# KiCad board Space.kicad_pcb
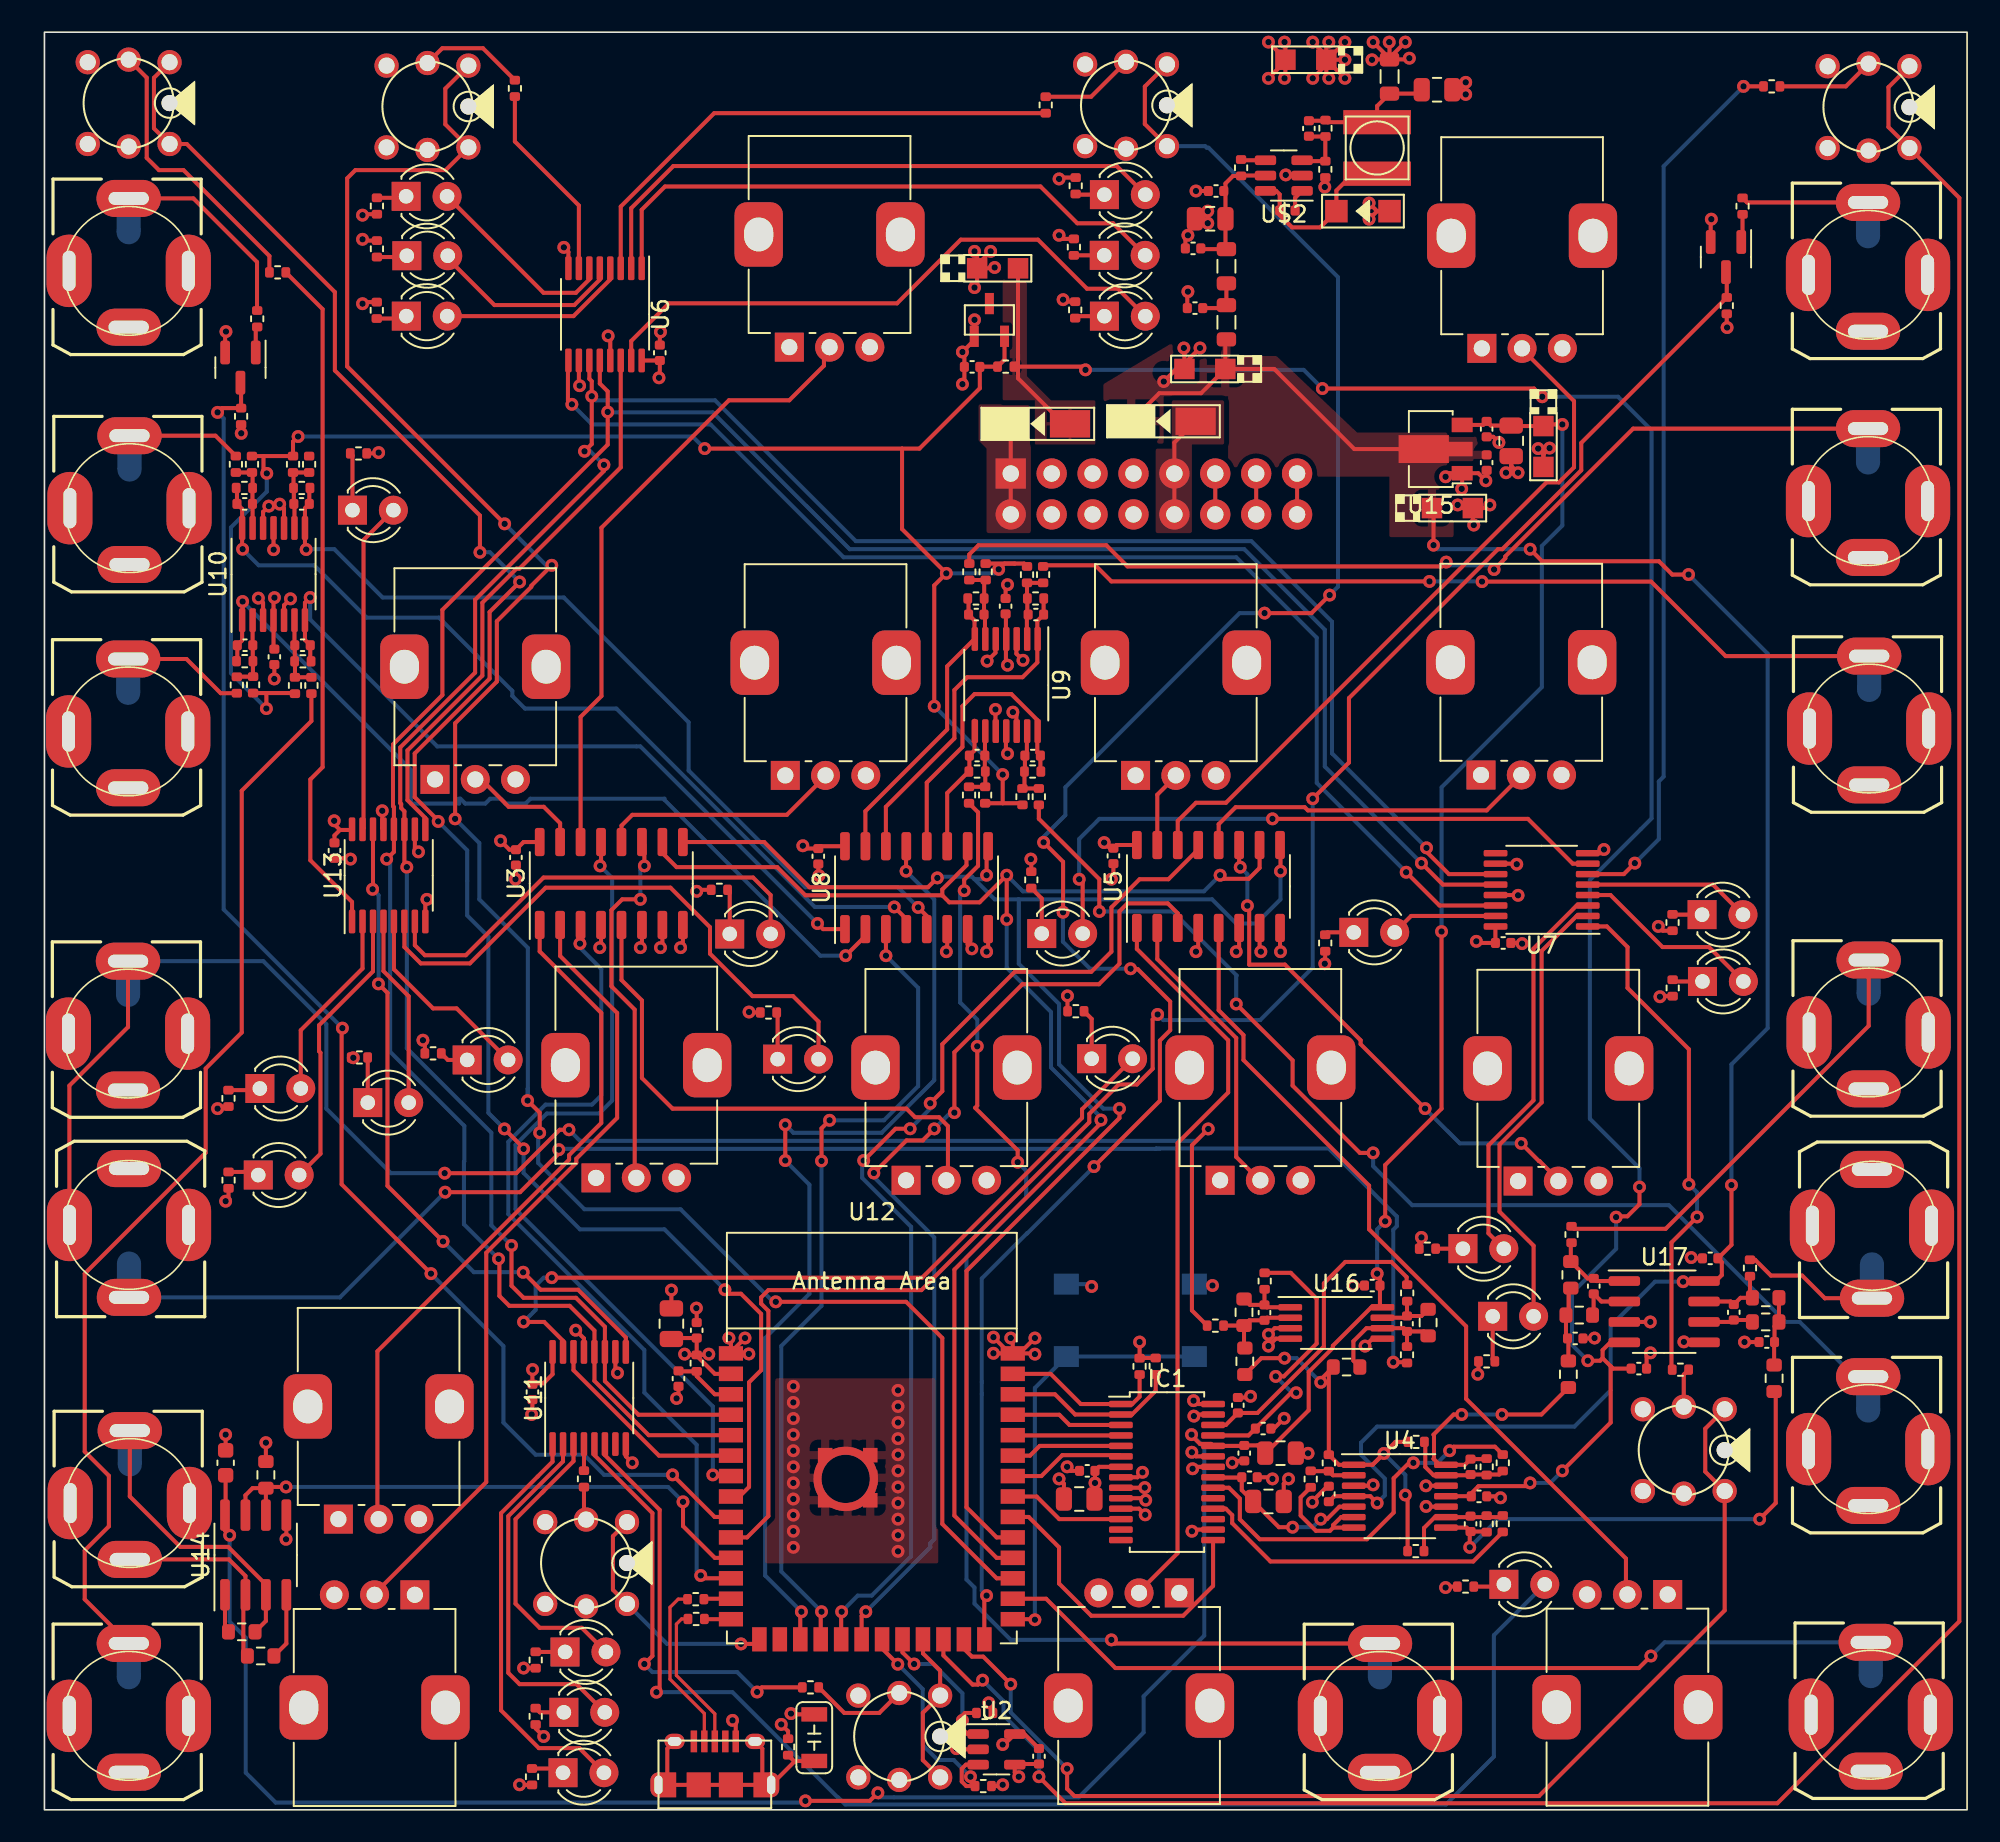
[diagram p0: board, top side]
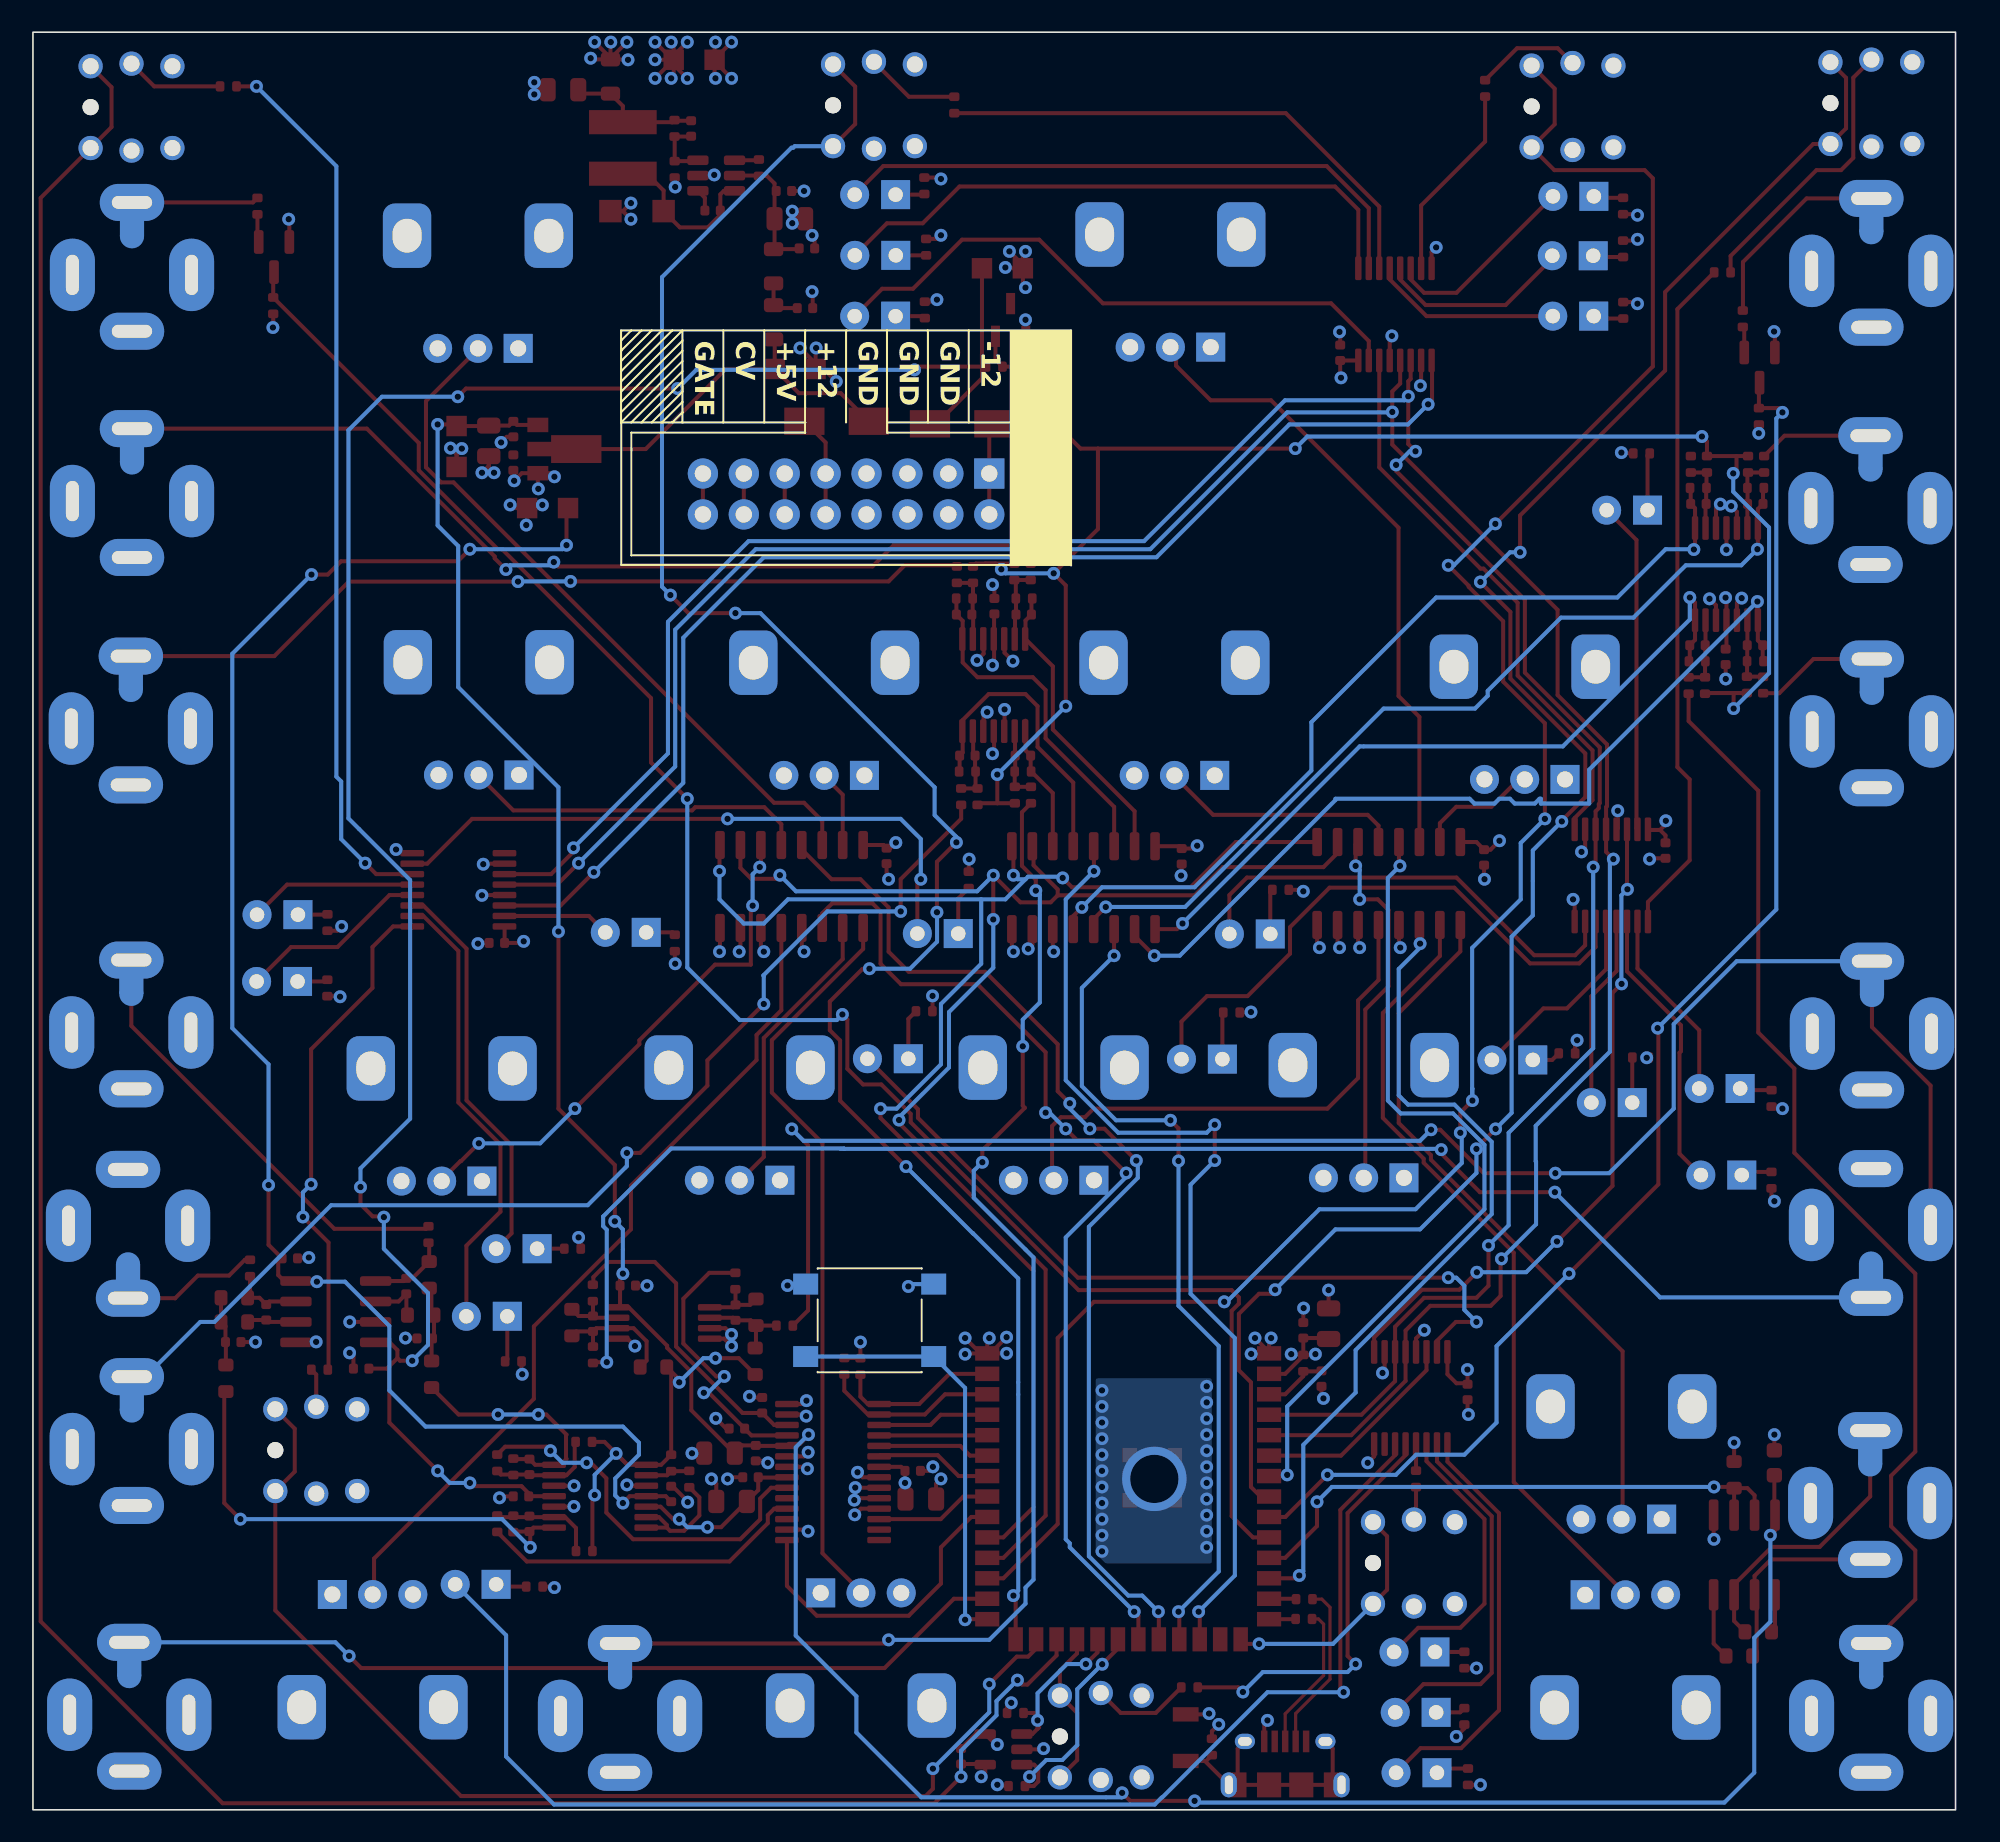
[diagram p1: board, bottom side, seen from below]

Outline 119.38 x 110.42 mm; copper layers: Top, In1.Cu, In2.Cu, Bottom. Coordinates in mm from the lower left corner of the outline.
Outline path: rectangle 0,110.42 119.38,0
Stack: Top 0.035mm / dielectric 0.1mm FR4 er 4.5 / In1.Cu 0.035mm / dielectric 1.24mm FR4 er 4.5 / In2.Cu 0.035mm / dielectric 0.1mm FR4 er 4.5 / Bottom 0.035mm

## Placement (name value [footprint] x y rotation side)
C1  100nF  [C_0402_1005Metric]  89.55 85.77 270 top
C2  100nF  [C_0402_1005Metric]  89.55 83.69 270 top
C3  10uF  [CASE-A_3216]  87.43 80.86 0 top
C7  22u  [C_0805_2012Metric]  91.07 85.03 90 top
C8  10uF  [CASE-A_3216]  93.07 84.69 270 top
C9  10u  [C_0805_2012Metric]  64.25 19.31 180 top
C10  100n  [C_0402_1005Metric]  64.75 21.06 180 top
C11  2.2n  [C_0402_1005Metric]  74.1 25.13 270 top
C12  10u  [C_0805_2012Metric]  76 19.16 0 top
C13  100n  [C_0402_1005Metric]  74.82 20.66 0 top
C14  2.2n  [C_0402_1005Metric]  75.67 23.68 180 top
C15  10u  [C_0805_2012Metric]  76.75 22.16 0 top
C16  100n  [C_0402_1005Metric]  74.5 22.16 270 top
C24  470p  [C_0402_1005Metric]  95.05 29.28 180 top
C25  470p  [C_0402_1005Metric]  106.94 29.06 0 top
C26  100n  [C_0402_1005Metric]  89.07 19.47 0 top
C27  100n  [C_0402_1005Metric]  79.75 19.62 90 top
C28  100n  [C_0402_1005Metric]  103.43 34.26 180 top
C29  100n  [C_0402_1005Metric]  99 27.41 0 top
C31  100n  [C_0402_1005Metric]  29.28 59.16 270 top
C32  100n  [C_0402_1005Metric]  66.38 59.26 270 top
C33  100n  [C_0402_1005Metric]  90.57 53.85 0 top
C34  100n  [C_0402_1005Metric]  38.21 90.51 90 top
C35  100n  [C_0402_1005Metric]  48.05 59.23 270 top
C36  100n  [C_0402_1005Metric]  59.68 74.77 90 top
C37  3.3n  [C_0402_1005Metric]  12.45 72.34 180 top
C38  3.3n  [C_0402_1005Metric]  61.56 74.25 0 top
C39  3.3n  [C_0402_1005Metric]  16.03 72.34 0 top
C40  3.3n  [C_0402_1005Metric]  57.86 74.25 180 top
C41  3.3n  [C_0402_1005Metric]  15.97 81.12 0 top
C42  3.3n  [C_0402_1005Metric]  57.91 65.49 180 top
C43  3.3n  [C_0402_1005Metric]  12.44 81.12 180 top
C44  3.3n  [C_0402_1005Metric]  61.36 65.49 0 top
C45  100n  [C_0402_1005Metric]  14.28 71.62 90 top
C46  100n  [C_0402_1005Metric]  30.3 25.96 270 top
C47  100n  [C_0402_1005Metric]  82.44 32.57 180 top
C48  100nF  [C_0402_1005Metric]  77.18 99.34 0 top
C49  10uF  [C_0805_2012Metric]  72.38 98.83 0 top
C50  10uF  [CASE-A_3216]  72.05 89.5 180 top
C51  10n  [C_0402_1005Metric]  71.44 93.28 0 top
C52  100nF  [C_0402_1005Metric]  71.32 96.99 0 top
C53  100nF  [C_0402_1005Metric]  72.75 100.56 0 top
C54  22u  [C_0805_2012Metric]  86.47 106.85 180 top
C55  10uF  [CASE-A_3216]  78.32 108.71 180 top
C56  33p  [C_0402_1005Metric]  78.51 104.44 270 top
C57  100nF  [C_0402_1005Metric]  57.6 89.63 0 top
C58  10uF  [CASE-A_3216]  59.18 95.76 0 top
C59  4.7n 100v  [C3216]  47.8 4.48 270 top
C60  1u  [C_0402_1005Metric]  39.37 26.79 270 top
C61  22u  [C_0805_2012Metric]  38.93 30.2 90 top
C62  100n  [C_0402_1005Metric]  40.5 29.79 90 top
C63  100n  [C_0402_1005Metric]  18.01 59.59 270 top
C64  100n  [C_0402_1005Metric]  61.75 3.33 90 top
C65  100p  [C_0402_1005Metric]  75.75 30.89 270 top
C66  100p  [C_0402_1005Metric]  84.6 30.2 270 top
C67  47p  [C_0402_1005Metric]  88.55 17.77 90 top
C68  47p  [C_0402_1005Metric]  96.2 32.53 270 top
C69  47p  [C_0402_1005Metric]  104.9 30.91 270 top
C70  47p  [C_0402_1005Metric]  88.55 21.31 270 top
C71  100n  [C_0603_1608Metric]  11.25 21.56 90 top
D1  LED  [LED_D3.0mm_FlatTop]  90.62 14 0 top
D3  D-SOD-123  [SOD123]  81.87 99.31 180 top
D4  LED  [LED_D3.0mm_FlatTop]  102.93 55.61 0 top
D7  LED  [LED_D3.0mm_FlatTop]  89.93 30.66 0 top
D8  LED  [LED_D3.0mm_FlatTop]  102.95 51.46 0 top
D9  LED  [LED_D3.0mm_FlatTop]  20.08 43.93 0 top
D11  LED  [LED_D3.0mm_FlatTop]  26.25 46.58 0 top
D13  LED  [LED_D3.0mm_FlatTop]  19.12 80.73 0 top
D15  LED  [LED_D3.0mm_FlatTop]  45.53 46.63 0 top
D16  LED  [LED_D3.0mm_FlatTop]  13.28 39.43 0 top
D17  LED  [LED_D3.0mm_FlatTop]  88.07 34.86 0 top
D18  LED  [LED_D3.0mm_FlatTop]  13.38 44.81 0 top
D19  LED  [LED_D3.0mm_FlatTop]  65.03 46.66 0 top
D20  LED  [LED_D3.0mm_FlatTop]  42.55 54.41 0 top
D21  C8678  [DO-214AC]  69.48 86.25 180 top
D22  C8678  [DO-214AC]  61.68 86.09 180 top
D23  LED  [LED_D3.0mm_FlatTop]  32.33 9.81 0 top
D24  LED  [LED_D3.0mm_FlatTop]  32.25 6.06 0 top
D25  LED  [LED_D3.0mm_FlatTop]  32.2 2.31 0 top
D26  LED  [LED_D3.0mm_FlatTop]  22.46 100.22 0 top
D27  LED  [LED_D3.0mm_FlatTop]  22.5 96.53 0 top
D28  LED  [LED_D3.0mm_FlatTop]  22.47 92.78 0 top
D29  LED  [LED_D3.0mm_FlatTop]  65.81 100.33 0 top
D30  LED  [LED_D3.0mm_FlatTop]  65.81 96.56 0 top
D31  LED  [LED_D3.0mm_FlatTop]  65.81 92.78 0 top
D32  LED  [LED_D3.0mm_FlatTop]  61.92 54.43 0 top
D33  LED  [LED_D3.0mm_FlatTop]  81.3 54.51 0 top
IC1  PCM3060  [TSSOP-28_4.4x9.7mm_P0.65mm]  69.7 20.98 0 top
J1  POWERSHROUDED  [POWER_16_SHROUDED]  68.89 81.74 0 bottom
J14  MICRO-USB-5P  [C132563]  41.62 0.1 0 top
JACK1  AUDIO-JACK_SMALLSYMBOLNODRILL  [3.5MM-JACK-SWITCH-13MM-NOHOLES-TESTPAD]  5.28 80.86 0 top
JACK2  AUDIO-JACK_SMALLSYMBOLNODRILL  [3.5MM-JACK-SWITCH-13MM-NOHOLES-TESTPAD]  5.2 66.99 0 top
JACK3  AUDIO-JACK_SMALLSYMBOLNODRILL  [3.5MM-JACK-SWITCH-13MM-NOHOLES-TESTPAD]  5.24 5.84 0 top
JACK4  AUDIO-JACK_SMALLSYMBOLNODRILL  [3.5MM-JACK-SWITCH-13MM-NOHOLES-TESTPAD]  82.93 5.83 0 top
JACK5  AUDIO-JACK_SMALLSYMBOLNODRILL  [3.5MM-JACK-SWITCH-13MM-NOHOLES-TESTPAD]  113.3 67.17 0 top
JACK6  AUDIO-JACK_SMALLSYMBOLNODRILL  [3.5MM-JACK-SWITCH-13MM-NOHOLES-TESTPAD]  113.23 81.3 0 top
JACK7  AUDIO-JACK_SMALLSYMBOLNODRILL  [3.5MM-JACK-SWITCH-13MM-NOHOLES-TESTPAD]  113.24 22.41 0 top
JACK8  AUDIO-JACK_SMALLSYMBOLNODRILL  [3.5MM-JACK-SWITCH-13MM-NOHOLES-TESTPAD]  113.4 5.91 0 top
JACK9  AUDIO-JACK_SMALLSYMBOLNODRILL  [3.5MM-JACK-SWITCH-13MM-NOHOLES-TESTPAD]  113.23 95.34 0 top
JACK10  AUDIO-JACK_SMALLSYMBOLNODRILL  [3.5MM-JACK-SWITCH-13MM-NOHOLES-TESTPAD]  5.23 95.59 0 top
JACK11  AUDIO-JACK_SMALLSYMBOLNODRILL  [3.5MM-JACK-SWITCH-13MM-NOHOLES-TESTPAD]  113.27 48.29 0 top
JACK12  AUDIO-JACK_SMALLSYMBOLNODRILL  [3.5MM-JACK-SWITCH-13MM-NOHOLES-TESTPAD]  113.47 36.28 180 top
JACK13  AUDIO-JACK_SMALLSYMBOLNODRILL  [3.5MM-JACK-SWITCH-13MM-NOHOLES-TESTPAD]  5.19 48.22 0 top
JACK14  AUDIO-JACK_SMALLSYMBOLNODRILL  [3.5MM-JACK-SWITCH-13MM-NOHOLES-TESTPAD]  5.25 36.33 180 top
JACK15  AUDIO-JACK_SMALLSYMBOLNODRILL  [3.5MM-JACK-SWITCH-13MM-NOHOLES-TESTPAD]  5.3 19.06 0 top
L5  0.1uH C76737  [L_0805_2012Metric]  73.39 92.4 90 top
L6  0.1uH C76737  [L_0805_2012Metric]  73.39 95.88 90 top
L7  4.7uH  [L0420]  82.75 103.23 90 top
L8  0.1uH C76737  [L_0805_2012Metric]  83.52 107.67 90 top
Q3  MMBT3904  [SOT-23]  104.41 96.45 270 top
Q4  MMBT3904  [SOT-23]  12.17 89.59 270 top
R1  56  [R_0402_1005Metric]  88.24 13.87 180 top
R2  56  [R_0402_1005Metric]  101.09 55.12 270 top
R4  56  [R_0402_1005Metric]  89.55 27.86 180 top
R25  56  [R_0402_1005Metric]  101.1 51.05 270 top
R26  56  [R_0402_1005Metric]  19.56 46.73 180 top
R28  56  [R_0402_1005Metric]  24.13 46.99 180 top
R30  56  [R_0402_1005Metric]  19.5 84.26 0 top
R32  56  [R_0402_1005Metric]  44.96 49.53 180 top
R33  56  [R_0402_1005Metric]  11.43 39.11 270 top
R34  56  [R_0402_1005Metric]  85.88 34.86 180 top
R35  56  [R_0402_1005Metric]  11.42 44.19 270 top
R36  56  [R_0402_1005Metric]  64.04 49.61 180 top
R37  56  [R_0402_1005Metric]  41.91 57.15 180 top
R38  100k  [R_0402_1005Metric]  12.95 69.88 90 top
R39  100k  [R_0402_1005Metric]  11.94 69.87 90 top
R40  100k  [R_0402_1005Metric]  61.01 76.73 270 top
R41  100k  [R_0402_1005Metric]  62.01 76.73 270 top
R42  33k  [R_0402_1005Metric]  12.44 71.35 180 top
R43  33k  [R_0402_1005Metric]  61.54 75.25 0 top
R44  100k  [R_0402_1005Metric]  15.56 69.84 90 top
R45  100k  [R_0402_1005Metric]  16.58 69.84 90 top
R46  100k  [R_0402_1005Metric]  58.44 76.9 270 top
R47  100k  [R_0402_1005Metric]  57.43 76.9 270 top
R48  33k  [R_0402_1005Metric]  16.05 71.34 0 top
R49  33k  [R_0402_1005Metric]  57.84 75.25 180 top
R50  100k  [R_0402_1005Metric]  15.44 83.58 270 top
R51  100k  [R_0402_1005Metric]  16.44 83.58 270 top
R52  100k  [R_0402_1005Metric]  58.41 63.04 90 top
R53  100k  [R_0402_1005Metric]  57.41 63.04 90 top
R54  33k  [R_0402_1005Metric]  15.97 82.11 0 top
R55  33k  [R_0402_1005Metric]  57.91 64.5 180 top
R56  100k  [R_0402_1005Metric]  12.89 83.58 270 top
R57  100k  [R_0402_1005Metric]  11.89 83.58 270 top
R58  100k  [R_0402_1005Metric]  60.73 62.93 90 top
R59  100k  [R_0402_1005Metric]  61.74 62.93 90 top
R60  33k  [R_0402_1005Metric]  12.42 82.11 180 top
R61  33k  [R_0402_1005Metric]  61.36 64.5 0 top
R62  56  [R_0402_1005Metric]  107.25 107.06 0 top
R63  56  [R_0402_1005Metric]  47.56 7.61 0 top
R64  56  [R_0402_1005Metric]  30.5 9.31 270 top
R65  56  [R_0402_1005Metric]  30.5 5.81 270 top
R66  12.1k  [R_0603_1608Metric]  74.49 30.91 90 top
R67  100k  [R_0402_1005Metric]  72.71 30.08 0 top
R68  12.1k  [R_0603_1608Metric]  74.53 27.86 90 top
R69  100k  [R_0402_1005Metric]  74.3 102 270 top
R70  49.9k  [R_0402_1005Metric]  79.54 104.45 270 top
R71  16.2k  [R_0402_1005Metric]  79.53 101.9 270 top
R72  10k  [R_0402_1005Metric]  59.69 89.65 180 top
R73  0  [R_0402_1005Metric]  40.47 11.86 0 top
R74  0  [R_0402_1005Metric]  40.44 13.09 0 top
R75  1M  [R_0402_1005Metric]  46.17 3.91 270 top
R76  2k  [R_0402_1005Metric]  58.29 1.47 0 top
R77  2k  [R_0402_1005Metric]  58.38 6.02 180 top
R78  10k  [R_0402_1005Metric]  40.5 27.75 270 top
R79  56  [R_0402_1005Metric]  14.48 95.5 180 top
R80  56  [R_0402_1005Metric]  30.28 2.06 270 top
R81  56  [R_0402_1005Metric]  101.58 27.34 0 top
R82  56  [R_0402_1005Metric]  20.64 99.62 270 top
R83  56  [R_0402_1005Metric]  20.64 96.96 90 top
R84  56  [R_0402_1005Metric]  20.63 93.14 90 top
R85  56  [R_0402_1005Metric]  29.21 106.93 90 top
R86  56  [R_0402_1005Metric]  33.5 20.56 270 top
R87  56  [R_0402_1005Metric]  64.03 100.88 90 top
R88  56  [R_0402_1005Metric]  63.92 97.07 90 top
R89  56  [R_0402_1005Metric]  64 93.17 90 top
R90  56  [R_0402_1005Metric]  62.17 105.9 90 top
R91  56  [R_0402_1005Metric]  61.28 57.77 90 top
R92  56  [R_0402_1005Metric]  79.53 53.85 270 top
R93  10k  [R_0402_1005Metric]  12.21 86.56 270 top
R94  100k  [R_0402_1005Metric]  13.21 92.62 270 top
R95  10k  [R_0402_1005Metric]  104.46 93.44 270 top
R96  100k  [R_0402_1005Metric]  105.44 99.62 270 top
R97  100  [R_0402_1005Metric]  75.76 32.85 90 top
R98  100  [R_0402_1005Metric]  84.62 32.11 90 top
R99  100k  [R_0402_1005Metric]  84.6 28.27 90 top
R100  12.1k  [R_0603_1608Metric]  80.85 27.51 0 top
R101  12.1k  [R_0603_1608Metric]  85.91 30.27 90 top
R102  100k  [R_0402_1005Metric]  78.62 20.55 90 top
R103  100k  [R_0402_1005Metric]  79.75 21.55 90 top
R104  100k  [R_0402_1005Metric]  89.55 17.76 270 top
R105  100k  [R_0402_1005Metric]  90.55 17.77 90 top
R106  100k  [R_0402_1005Metric]  85.15 16.07 0 top
R107  4.42k  [R_0603_1608Metric]  94.62 27.06 90 top
R108  4.02k  [R_0603_1608Metric]  95.3 30.73 0 top
R109  37.5k  [R_0603_1608Metric]  94.78 33.23 90 top
R110  56  [R_0402_1005Metric]  94.82 35.74 90 top
R111  37.5k  [R_0603_1608Metric]  106.88 31.81 180 top
R112  4.42k  [R_0603_1608Metric]  107.4 26.81 90 top
R113  4.02k  [R_0603_1608Metric]  106.88 30.31 180 top
R114  100k  [R_0402_1005Metric]  90.55 21.56 270 top
R115  56  [R_0402_1005Metric]  105.9 33.66 90 top
R116  100k  [R_0402_1005Metric]  89.55 21.31 90 top
R117  100k  [R_0402_1005Metric]  85.18 22.86 0 top
R118  2k  [R_0402_1005Metric]  69 27.56 90 top
R119  2k  [R_0402_1005Metric]  68 27.55 270 top
R120  220R  [R_0603_1608Metric]  13.75 20.81 90 top
R121  220R  [R_0603_1608Metric]  12.25 11.06 180 top
R122  220R  [R_0603_1608Metric]  13.42 9.56 0 top
RV1  R_Potentiometer  [Potentiometer_Alps_RK09K_Single_Vertical]  89.25 90.78 90 top
RV2  R_Potentiometer  [Potentiometer_Alps_RK09K_Single_Vertical]  24.25 64.01 90 top
RV3  R_Potentiometer  [Potentiometer_Alps_RK09K_Single_Vertical]  67.75 64.26 90 top
RV4  R_Potentiometer  [Potentiometer_Alps_RK09K_Single_Vertical]  18.25 18.06 90 top
RV5  R_Potentiometer  [Potentiometer_Alps_RK09K_Single_Vertical]  46 64.26 90 top
RV6  R_Potentiometer  [Potentiometer_Alps_RK09K_Single_Vertical]  73 39.11 90 top
RV8  R_Potentiometer  [Potentiometer_Alps_RK09K_Single_Vertical]  23 13.36 270 top
RV9  R_Potentiometer  [Potentiometer_Alps_RK09K_Single_Vertical]  100.79 13.38 270 top
RV10  R_Potentiometer  [Potentiometer_Alps_RK09K_Single_Vertical]  89.2 64.28 90 top
RV11  R_Potentiometer  [Potentiometer_Alps_RK09K_Single_Vertical]  34.25 39.26 90 top
RV13  R_Potentiometer  [Potentiometer_Alps_RK09K_Single_Vertical]  46.25 90.86 90 top
RV14  R_Potentiometer  [Potentiometer_Alps_RK09K_Single_Vertical]  53.5 39.11 90 top
RV15  R_Potentiometer  [Potentiometer_Alps_RK09K_Single_Vertical]  91.5 39.06 90 top
RV16  R_Potentiometer  [Potentiometer_Alps_RK09K_Single_Vertical]  70.47 13.47 270 top
SW1  SW_Push  [SW_Push_1P1T_NO_6x6mm_H9.5mm]  67.43 30.41 180 bottom
U1  LM4040DIM3-5.0  [SOT95P237X112-3N]  58.67 92.55 90 top
U2  AT24CS01-STUM  [SOT-23-5]  59.11 3.75 0 top
U3  4052  [SO-16_3.9x9.9mm_P1.27mm]  35.19 57.54 90 top
U4  TL074  [TSSOP-14_4.4x5mm_P0.65mm]  84.16 19.48 0 top
U5  4052  [SO-16_3.9x9.9mm_P1.27mm]  72.28 57.36 90 top
U6  74HC595  [TSSOP-16_4.4x5mm_P0.65mm]  34.81 92.89 270 top
U7  74HC595  [TSSOP-16_4.4x5mm_P0.65mm]  92.96 57.15 180 top
U8  4052  [SO-16_3.9x9.9mm_P1.27mm]  54.15 57.28 90 top
U9  MCP6004  [TSSOP-14_4.4x5mm_P0.65mm]  59.72 69.87 270 top
U10  MCP6004  [TSSOP-14_4.4x5mm_P0.65mm]  14.22 76.76 90 top
U11  74HC595  [TSSOP-16_4.4x5mm_P0.65mm]  33.83 25.58 90 top
U12  -  [ESP32-S3-WROOM-1]  51.38 20.09 0 top
U13  74HC595  [TSSOP-16_4.4x5mm_P0.65mm]  21.38 58.04 90 top
U14  HCPL-0631  [SOIC-8_3.9x4.9mm_P1.27mm]  13.11 15.83 90 top
U15  HT7550-1  [SOT-89-3]  86.38 84.53 180 top
U16  MCP6022  [TSSOP-8_4.4x3mm_P0.65mm]  80.22 30.24 0 top
U17  NE5532  [SOIC-8_3.9x4.9mm_P1.27mm]  100.57 30.94 0 top
U$2  BL9342  [SOT-23-6]  76.95 101.52 180 top
U$3  SWITCH_W_LED_PB6149L-X-102YELLOW  [PB6149L]  5.23 106.02 0 top
U$4  SWITCH_W_LED_PB6149L-X-102YELLOW  [PB6149L]  113.26 105.77 0 top
U$5  SWITCH_W_LED_PB6149L-X-102YELLOW  [PB6149L]  53.08 4.56 0 top
U$6  SWITCH_W_LED_PB6149L-X-102YELLOW  [PB6149L]  101.79 22.34 0 top
U$7  SWITCH_W_LED_PB6149L-X-102YELLOW  [PB6149L]  23.78 105.81 0 top
U$8  SWITCH_W_LED_PB6149L-X-102YELLOW  [PB6149L]  33.63 15.33 0 top
U$9  SWITCH_W_LED_PB6149L-X-102YELLOW  [PB6149L]  67.16 105.88 0 top

## Library data of the parts
C9 C12 C15 = -: Description: Unpolarized capacitor; Field4: Digikey; Field5: 490-14381-1-ND; Field6: GRM21BR71A106KA73L; Field7: Murata; Field8: 111893011; Part Description: 10uF 10% 10V Ceramic Capacitor X7R 0805 (2012 Metric)
C10 C11 C13 C14 C16 C24-C29 C47 C65-C70 = -: Description: Unpolarized capacitor; Field4: Farnell; Field5: 2611911; Field6: RM EMK105 B7104KV-F; Field7: TAIYO YUDEN EUROPE GMBH; Field8: 110091611; Part Description: 0.1uF 10% 16V Ceramic Capacitor X7R 0402 (1005 Metric)
C31-C36 C45 C46 C60-C64 C71 = -: Description: Unpolarized capacitor
C37-C44 = -: Description: Unpolarized capacitor, small symbol
D1 D4 D7-D9 D11 D13 D15-D20 D23-D33 = -: Description: Light emitting diode
Q3 Q4 = -: Description: 0.2A Ic, 40V Vce, Small Signal NPN Transistor, SOT-23
R1 R2 R4 R25 R26 R28 R30 R32-R37 R62-R65 R78-R92 R120-R122 = -: Description: Resistor
R38-R61 = -: Description: Resistor, small symbol
R66-R68 R97-R117 = -: Description: Resistor; Field4: Farnell; Field5: 9239375; Field6: MCR01MZPF1502; Field7: Rohm; Field8: 120891581; Part Description: Resistor 15K M1005 1% 63mW
RV1-RV6 RV8-RV11 RV13-RV16 = -: Description: Potentiometer
SW1 = -: Description: Push button switch, generic, two pins
U2 = -: Description: I2C Serial EEPROM, 1Kb (128x8) with Unique Serial Number, SOT-23-5
U3 U5 U8 = -: Description: Dual Analog Multiplexer 4 to 1 line
U4 = -: Description: Quad Low-Noise JFET-Input Operational Amplifiers, DIP-14/SOIC-14
U6 U7 U11 U13 = -: Description: 8-bit serial in/out Shift Register 3-State Outputs
U9 U10 = -: Description: 1MHz, Low-Power Op Amp, DIP-14/SOIC-14/TSSOP-14
U12 = -: Description: 2.4 GHz WiFi (802.11 b/g/n) and Bluetooth ® 5 (LE) module Built around ESP32S3 series of SoCs, Xtensa ® dualcore 32bit LX7 microprocessor Flash up to 16 MB, PSRAM up to 8 MB 36 GPIOs, rich set of peripherals Onboard PCB antenna
U14 = -: Description: Dual High Speed LSTTL/TTL Compatible Optocoupler, dV/dt 10000/us, VCM 1000, max 7V VCC, SOIC-8
U15 = -: LCSC: C16106
U16 = -: Description: Dual Operational Amplifiers, Rail-to-Rail Input/Output, DIP-8/SOIC-8/TSSOP-8
U17 = -: Description: Dual Low-Noise Operational Amplifiers, DIP-8/SOIC-8
